# Altium PCB MercurialSDR.PcbDoc (part 1 of 2)
Units mm, origin at the board's own origin, x right, y up, seen from the top; angles counter-clockwise.
Board outline 100 x 50 mm, 2 copper layers (Top Layer, Bottom Layer); 130 components, 118 nets, 582 pads, 101 vias.
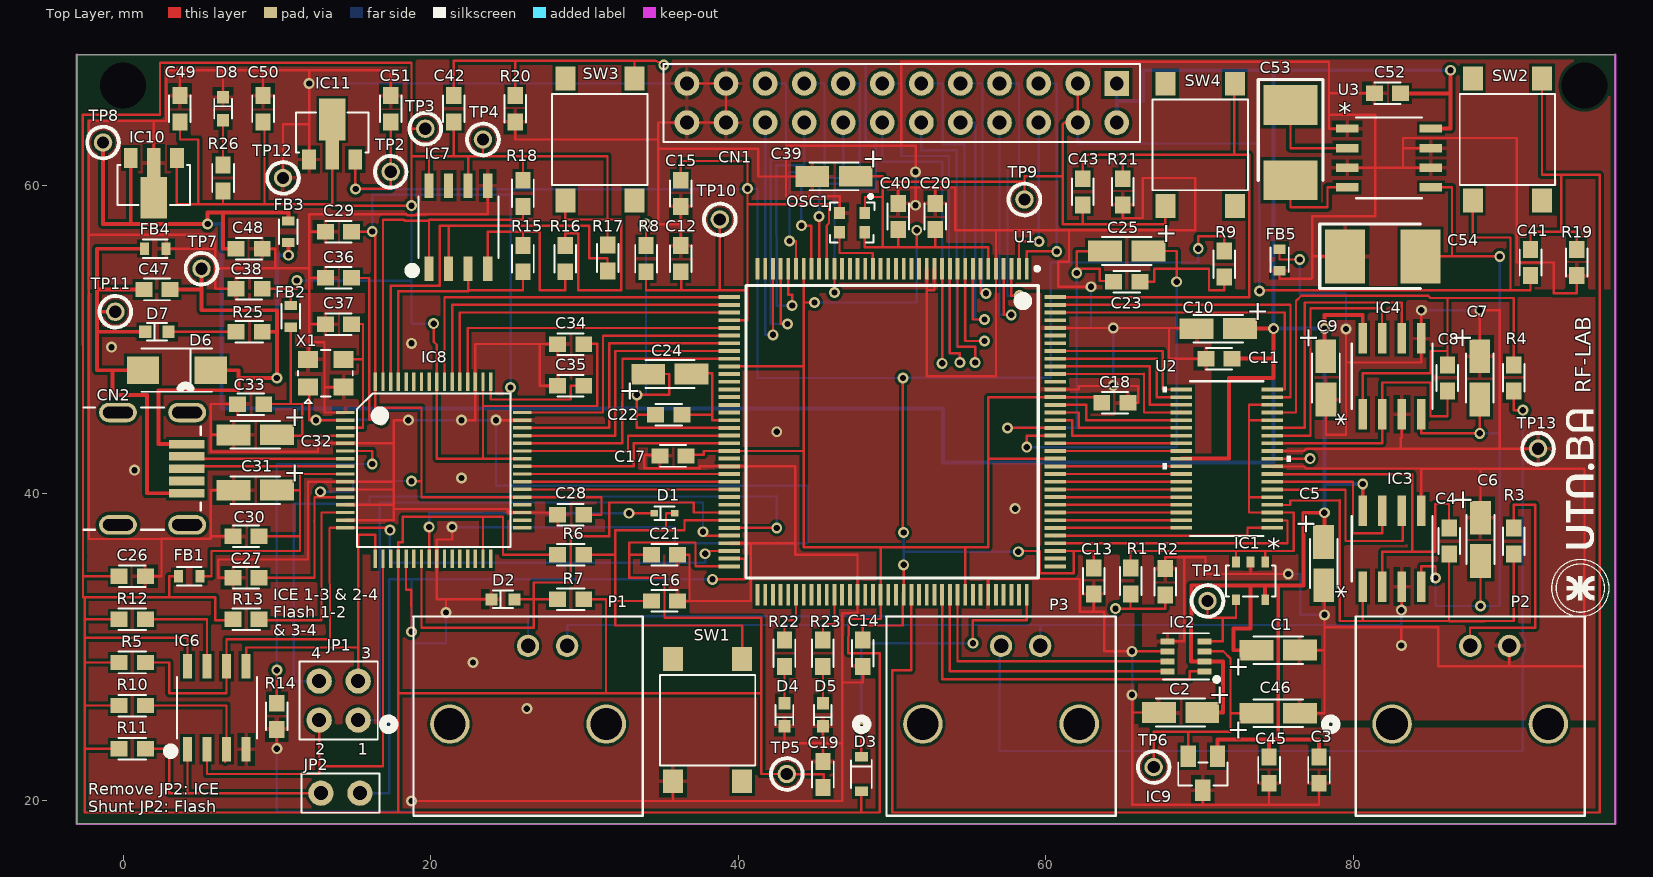
[diagram p0: Top Layer view]
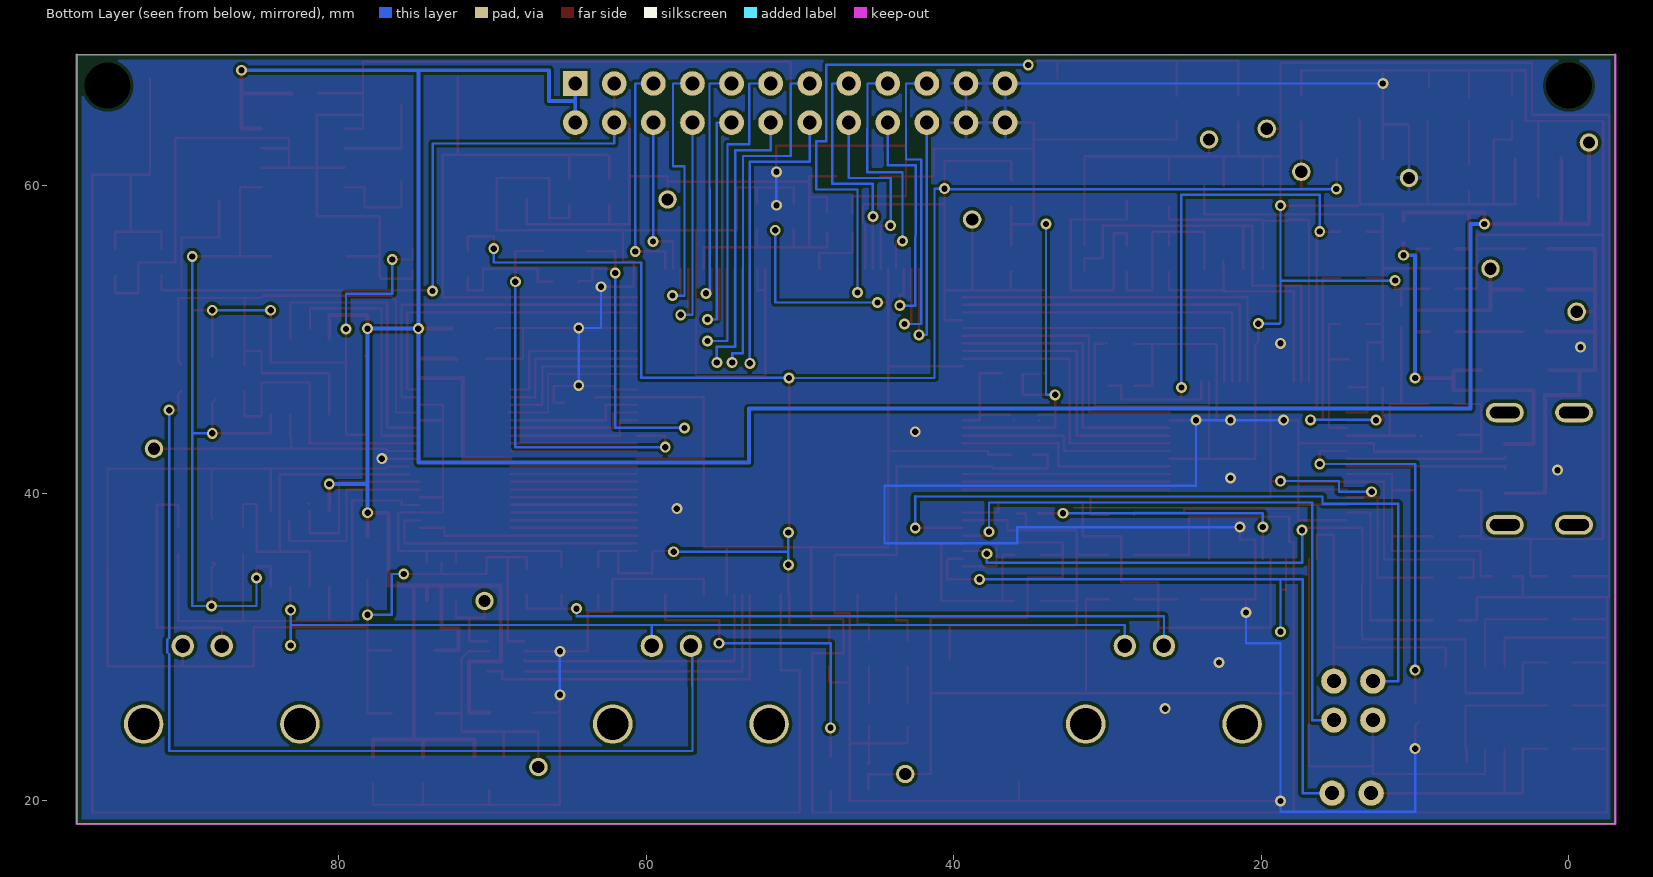
[diagram p1: Bottom Layer view, seen from below]

## Layer stack, top to bottom
Top Solder: solder mask 0.0102, Solder Resist, Dk 3.5
Top Layer: signal copper 0.0356
Dielectric 1: dielectric 0.32, FR-4, Dk 4.8
Bottom Layer: signal copper 0.0356
Bottom Solder: solder mask 0.0102, Solder Resist, Dk 3.5

## Board outline
-3,18.5 -3,68.5 97,68.5 97,18.5

## Design rules (kind name [scope] priority, off if disabled: settings)
BoardOutlineClearance [All] p1: gap=0.25 ignorepadtopadclearanceinfootprint=FALSE
Clearance [All] p1: gap=0.203 ignorepadtopadclearanceinfootprint=FALSE
DiffPairsRouting [All] p1: maxlimit=0.157 minlimit=0.157 mostfreqgap=0.157 toplayer_minwidth=0.152 toplayer_maxwidth=0.381 toplayer_prefwidth=0.152 bottomlayer_minwidth=0.152 bottomlayer_maxwidth=0.381 bottomlayer_prefwidth=0.152 maxuncoupledlength=12.7
HoleSize [All] p1: absolutevalues=TRUE maxlimit=5 minlimit=0.025 maxpercent=80.000 minpercent=20.000
MinimumSolderMaskSliver [All] p1: minsoldermaskwidth=0
PlaneConnect [IsVia] p1: planeconnectstyle=Direct reliefexpansion=0.508 reliefentries=4 reliefconductorwidth=0.254 reliefairgap=0.254
PolygonConnect PolygonConnect_1 [IsVia] p1: connectstyle=Direct reliefconductorwidth=0.254 reliefentries=4 polygonreliefangle="90 Angle" airgapwidth=0.254
PolygonConnect [All] p2: connectstyle=Relief reliefconductorwidth=0.254 reliefentries=4 polygonreliefangle="90 Angle" airgapwidth=0.254
RoutingVias [All] p1: holewidth=0.406 width=0.711 viastyle="Through Hole" minholewidth=0.406 minwidth=0.711 maxholewidth=1 maxwidth=2
ShortCircuit [InNet('No Net')] p1: allowed=TRUE
SilkToSilkClearance [All] p1: silktosilkclearance=0
SilkToSolderMaskClearance [IsPad] p1: minsilkscreentomaskgap=0.025 clearancetoexposedcopper=TRUE
SolderMaskExpansion [All] p1: expansion=0.102
Width [IsNet] p1: maxlimit=0.254 minlimit=0.152 preferedwidth=0.152
23 further rules are at their usual default settings.

## Classes and differential pairs
component class "FTDI Interface": C27 C28 C29 C30 C31 C32 C33 C34 C35 C36 C37 C38 FB1 FB2 IC7 IC8 R13 R14 R15 R16 R17 R18 X1
component class "iCE Banks": C1 C2 C3 C4 C5 C6 C7 C8 C9 C10 C11 IC1 IC2 IC3 IC4 P1 P2 P3 R1 R2 R3 R4 TP1 U1 U2
component class "iCE Programming & Power": C12 C13 C14 C15 C16 C17 C18 C19 C20 C21 C22 C23 C24 C25 C26 D1 D2 D3 IC6 JP2 R5 R6 R7 R8 R9 R10 R11 R12 SW1 TP2 TP3 TP4 TP5
component class Miscellaneous: C39 C40 C41 C42 C43 CN1 D4 D5 OSC1 R19 R20 R21 R22 R23 SW2 SW3 SW4
component class "USB & Power": C45 C46 C47 C48 C49 C50 C51 C52 C53 C54 CN2 D6 D7 D8 FB3 FB4 FB5 IC9 IC10 IC11 R25 R26 TP6 TP7 TP8 TP9 TP10 TP11 TP12 TP13 U3
differential pair USB_D: +USB_D_P -USB_D_N

## Components (designator, comment, footprint, x,y, rotation, side; value= is the part's Value field where it differs from the comment)
C1 "10uF 6V3 - TAJA106K006RNJ" CAP_TANT_1206 75.1,29.8 r0 top value="10uF 6V3"
C2 "10uF 6V3 - TAJA106K006RNJ" CAP_TANT_1206 68.75,25.75 r180 top value="10uF 6V3"
C3 "100nF 16V X7R - CL10B104KO8NNNC" CAP_0603 77.75,22 r270 top value="100nF 16V X7R"
C4 "10pF 16V X7R - C0603C100K4RAC7867" CAP_0603 86.205,36.89 r90 top value="10pF 16V X7R"
C5 "10uF 6V3 - TAJA106K006RNJ" CAP_TANT_1206 78.054,35.433 r270 top value="10uF 6V3"
C6 "10uF 6V3 - TAJA106K006RNJ" CAP_TANT_1206 88.25,37 r270 top value="10uF 6V3"
C7 "10uF 6V3 - TAJA106K006RNJ" CAP_TANT_1206 88.2,47.5 r270 top value="10uF 6V3"
C8 "10pF 16V X7R - C0603C100K4RAC7867" CAP_0603 86.1,47.5 r90 top value="10pF 16V X7R"
C9 "10uF 6V3 - TAJA106K006RNJ" CAP_TANT_1206 78.2,47.5 r270 top value="10uF 6V3"
C10 "10uF 6V3 - TAJA106K006RNJ" CAP_TANT_1206 71.2,50.7 r180 top value="10uF 6V3"
C11 "100nF 16V X7R - CL10B104KO8NNNC" CAP_0603 71.25,48.75 r180 top value="100nF 16V X7R"
C12 "100nF 16V X7R - CL10B104KO8NNNC" CAP_0603 36.25,55.25 r90 top value="100nF 16V X7R"
C13 "100nF 16V X7R - CL10B104KO8NNNC" CAP_0603 63.1,34.3 r270 top value=100nF
C14 "100nF 16V X7R - CL10B104KO8NNNC" CAP_0603 48.1,29.6 r270 top value=100nF
C15 "100nF 16V X7R - CL10B104KO8NNNC" CAP_0603 36.25,59.5 r270 top value="100nF 16V X7R"
C16 "2.2uF 6V3 X5R - CL10A225KQ8NNNC" CAP_0603 35.2,33 r0 top value="2.2uF 6V3 X5R"
C17 "100nF 16V X7R - CL10B104KO8NNNC" CAP_0603 35.75,42.425 r0 top value="100nF 16V X7R"
C18 "100nF 16V X7R - CL10B104KO8NNNC" CAP_0603 64.475,45.875 r180 top value="100nF 16V X7R"
C19 "100nF 16V X7R - CL10B104KO8NNNC" CAP_0603 45.503,21.717 r270 top value="100nF 16V X7R"
C20 "100nF 16V X7R - CL10B104KO8NNNC" CAP_0603 52.8,58 r270 top value="100nF 16V X7R"
C21 "100nF 16V X7R - CL10B104KO8NNNC" CAP_0603 35.2,36 r180 top value="100nF 16V X7R"
C22 "100nF 16V X7R - CL10B104KO8NNNC" CAP_0603 35.475,45.1 r0 top value="100nF 16V X7R"
C23 "100nF 16V X7R - CL10B104KO8NNNC" CAP_0603 65.25,53.75 r180 top value="100nF 16V X7R"
C24 "10uF 6V3 - TAJA106K006RNJ" CAP_TANT_1206 35.55,47.75 r0 top value="10uF 6V3"
C25 "10uF 6V3 X7R- TAJA106K006RNJ" CAP_TANT_1206 65.25,55.75 r180 top value="10uF 6V3 X7R"
C26 "100nF 16V X7R - CL10B104KO8NNNC" CAP_0603 0.6,34.6 r180 top value="100nF 16V X7R"
C27 "100nF 16V X7R - CL10B104KO8NNNC" CAP_0603 8,34.5 r180 top value="100nF 16V X7R"
C28 "100nF 16V X7R - CL10B104KO8NNNC" CAP_0603 29.1,38.6 r180 top value="100nF 16V X7R"
C29 "100nF 16V X7R - CL10B104KO8NNNC" CAP_0603 14,57 r180 top value="100nF 16V X7R"
C30 "100nF 16V X7R - CL10B104KO8NNNC" CAP_0603 8,37.2 r180 top value="100nF 16V X7R"
C31 "4.7uF 10V - TAJA475K010RNJ" CAP_TANT_1206 8.6,40.2 r180 top value="4.7uF 10V"
C32 "4.7uF 10V - TAJA475K010RNJ" CAP_TANT_1206 8.6,43.8 r180 top value="4.7uF 10V"
C33 "100nF 16V X7R - CL10B104KO8NNNC" CAP_0603 8.3,45.8 r180 top value="100nF 16V X7R"
C34 "100nF 16V X7R - CL10B104KO8NNNC" CAP_0603 29.1,49.7 r180 top value="100nF 16V X7R"
C35 "3.3uF10V X7S - C1608X7S1A335K080AC" CAP_0603 29.1,47 r180 top value="3.3uF10V X7S"
C36 "12pF 50V C0G - CL10C120JB8NNNC" CAP_0603 14,54 r180 top value="12pF 50V C0G"
C37 "12pF 50V C0G - CL10C120JB8NNNC" CAP_0603 14,51 r0 top value="12pF 50V C0G"
C38 "100nF 16V X7R - CL10B104KO8NNNC" CAP_0603 8.2,53.3 r180 top value="100nF 16V X7R"
C39 "10uF 6V3 - TAJA106K006RNJ" CAP_TANT_1206 46.22,60.6 r180 top value="10uF 6V3"
C40 "100nF 16V X7R - CL10B104KO8NNNC" CAP_0603 50.4,58 r90 top value="100nF 16V X7R"
C41 "2.2uF 6V3 X5R - CL10A225KQ8NNNC" CAP_0603 91.5,55 r90 top value="2.2uF 6V3 X5R"
C42 "2.2uF 6V3 X5R - CL10A225KQ8NNNC" CAP_0603 21.5,65 r90 top value="2.2uF 6V3 X5R"
C43 "2.2uF 6V3 X5R - CL10A225KQ8NNNC" CAP_0603 62.4,59.6 r90 top value="2.2uF 6V3 X5R"
C45 "100nF 16V X7R - CL10B104KO8NNNC" CAP_0603 74.5,22 r270 top value="100nF 16V X7R"
C46 "10uF 6V3 - TAJA106K006RNJ" CAP_TANT_1206 75.1,25.7 r0 top value="10uF 6V3"
C47 "10nF 16v X7R  - CC0603KRX7R7BB103" CAP_0603 2.2,53.25 r180 top value="Cap ceramico"
C48 "1uF 10V X7R - CL10B105KP8NNNC" CAP_0603 8.2,55.9 r0 top value="1uF 10V X7R"
C49 "1uF 10V X7R - CL10B105KP8NNNC" CAP_0603 3.7,65 r90 top value="1uF 10V X7R"
C50 "1uF 10V X7R - CL10B105KP8NNNC" CAP_0603 9.1,65 r90 top value="1uF 10V X7R"
C51 "1uF 10V X7R - CL10B105KP8NNNC" CAP_0603 17.4,65 r90 top value="1uF 10V X7R"
C52 "2.2uF 6V3 -  TMCJ1A225MTRF" CAP_0603 82.2,66 r180 top value="2.2uF 6V3"
C53 "47uF 16V - 595D476X9016C2T" CAPPC5932X280N 75.9,62.8 r270 top value="47uF 16V"
C54 "47uF 16V - 595D476X9016C2T" CAPPC5932X280N 81.9,55.4 r0 top value="47uF 16V"
CN1 "6-534236-2" CON_12X2 50.63,65.37 r0 top value="Conector genérico 12x2"
CN2 "10118193-0001LF" 54819-0589_MOL 0.425,41.6 r270 top value="USB Plug"
D1 "RB521S30T1G" SOD-523 35.2,38.7 r180 top value="Diodo Schottkey"
D2 "LTST-C190KSKT" LED_0603 24.7,33.1 r180 top value="Led Yellow"
D3 "NSR0530HT1G" SOD-323 48,21.75 r270 top value="Diodo Schottkey"
D4 "LTST-C190KRKT" LED_0603 43,25.6 r270 top
D5 "LTST-C190KRKT" LED_0603 45.5,25.6 r270 top
D6 "SMAJ5.0A" DO-214AC 3.5,48 r0 top value="TVS Diode"
D7 "LTST-C190KRKT" LED_0603 2.2,50.5 r180 top
D8 "LTST-C190KSKT" LED_0603 6.5,65 r90 top
FB1 "BLM18AG121SN1D" FERRITE_BEAD_0603 4.3,34.6 r0 top
FB2 "BLM18AG121SN1D" FERRITE_BEAD_0603 10.9,51.5 r270 top
FB3 "BLM18AG121SN1D" FERRITE_BEAD_0603 10.75,57 r90 top value="Ferrite Bead"
FB4 "BLM18AG121SN1D" FERRITE_BEAD_0603 2.1,55.9 r0 top value="Ferrite Bead"
FB5 "BLM18AG121SN1D" FERRITE_BEAD_0603 75.184,55.169 r90 top value="Ferrite Bead"
IC1 "MCP6271 SOT-23-5" SOT-23-5 73.3,34.3 r270 top
IC2 "AD5061" SOT-23-8 69.1,29.4 r90 top
IC3 "OPAMP2277 - OPA2277UA/2K5" OPA2277 82.5,36.4 r90 top
IC4 "OPAMP2277  - OPA2277UA/2K5" OPA2277 82.5,47.6 r90 top
IC6 "LE25U20AMB" SOIC-8 6.095,26.05 r90 top
IC7 "93LC56BT" SOIC-8 21.8,57.3 r90 top
IC8 "FT2232HL-TRAY" LQFP_64 20.2,41.5 r0 top value=FT2232H
IC9 "MCP1541T-I/TT" SOT-23-3 70.2,21.8 r180 top
IC10 "AP7215 - AP7365-33YG-13" SOT89-3L 2,60.5 r180 top value=AP7215
IC11 "AP7217D - AP7217D-12YG-13" SOT89-3L 13.6,63 r0 top value=AP7217D
JP1 "Jumper" "JUMPER 2X2" 15.29,25.25 r180 top
JP2 "Jumper 2x1" "JUMPER 2X1" 12.86,20.5 r0 top
OSC1 "DSC6003JI2A-012.0000T" VFLGA_2.5X2.0 47.4,57.6 r180 top
P1 "0731385033" CONN_73138-5033_ 18.814,32.032 r0 top value=BNC
P2 "0731385033" CONN_73138-5033_ 80.064,32.032 r0 top value=BNC
P3 "0731385033" CONN_73138-5033_ 49.564,32.032 r0 top value=BNC
R1 "10k 1% 1/10W - CR0603-FX-1002EAS" RES_0603 65.5,34.3 r270 top value="10k 1% 1/10W"
R2 "1k 1% 1/10W - CR0603-FX-1001ELF" RES_0603 67.75,34.25 r90 top value="1k 1% 1/10W"
R3 "47 1% 1/10W - CR0603-FX-47R0ELF" RES_0603 90.405,36.89 r90 top value="47 1% 1/10W"
R4 "47 1% 1/10W - CR0603-FX-47R0ELF" RES_0603 90.4,47.5 r270 top value="47 1% 1/10W"
R5 "10k 1% 1/10W - CR0603-FX-1002EAS" RES_0603 0.6,29 r0 top value="10k 1% 1/10W"
R6 "10k 1% 1/10W - CR0603-FX-1002EAS" RES_0603 29.1,36 r0 top value="10k 1% 1/10W"
R7 "649 1% 1/10W - RC0603FR-07649RL" RES_0603 29.1,33.1 r180 top value="649 1% 1/10W"
R8 "100 1% 1/10W - CR0603-FX-1000ELF" RES_0603 34,55.25 r270 top value="100 1% 1/10W"
R9 "100 1% 1/10W - CR0603-FX-1000ELF" RES_0603 71.6,54.9 r270 top value="100 1% 1/10W"
R10 "10k 1% 1/10W - CR0603-FX-1002EAS" RES_0603 0.6,26.2 r0 top value="10k 1% 1/10W"
R11 "10k 1% 1/10W - CR0603-FX-1002EAS" RES_0603 0.6,23.4 r180 top value="10k 1% 1/10W"
R12 "10k 1% 1/10W - CR0603-FX-1002EAS" RES_0603 0.6,31.8 r0 top value="10k 1% 1/10W"
R13 "1k 1% 1/10W - CR0603-FX-1001ELF" RES_0603 8,31.8 r180 top value="1k 1% 1/10W"
R14 "12k 1% 1/10W - CR0603-FX-1202ELF" RES_0603 10,25.5 r270 top value="12k 1% 1/10W"
R15 "2k2 1% 1/10W - AC0603FR-072K2L" RES_0603 26,55.25 r270 top value="2k2 1% 1/10W"
R16 "10k 1% 1/10W - CR0603-FX-1002EAS" RES_0603 28.75,55.25 r90 top value="10k 1% 1/10W"
R17 "10k 1% 1/10W - CR0603-FX-1002EAS" RES_0603 31.5,55.3 r270 top value="10k 1% 1/10W"
R18 "10k 1% 1/10W - CR0603-FX-1002EAS" RES_0603 26,59.5 r270 top value="10k 1% 1/10W"
R19 "10k 1% 1/10W - CR0603-FX-1002EAS" RES_0603 94.5,55 r90 top value="10k 1% 1/10W"
R20 "10k 1% 1/10W - CR0603-FX-1002EAS" RES_0603 25.5,65 r90 top value="10k 1% 1/10W"
R21 "10k 1% 1/10W - CR0603-FX-1002EAS" RES_0603 65,59.6 r90 top value="10k 1% 1/10W"
R22 "130 1% 1/10W - CR0603-FX-1300ELF" RES_0603 43,29.6 r90 top value=130
R23 "130 1% 1/10W - CR0603-FX-1300ELF" RES_0603 45.5,29.6 r90 top value="130 1% 1/10W"
R25 "330 5% 1/10W - CR0603-JW-331ELF" RES_0603 8.2,50.5 r180 top value="330 5% 1/10W"
R26 "150 1% 1/10W - CR0603-FX-1500ELF" RES_0603 6.5,60.5 r90 top value="150 1% 1/10W"
SW1 "PTS645SM43SMTR92 LFS" SWITCH_6X6MM 38,25.25 r270 top value=Pulsador
SW2 "PTS645SM43SMTR92 LFS" SWITCH_6X6MM 90,63 r90 top
SW3 "PTS645SM43SMTR92 LFS" SWITCH_6X6MM 31,63 r90 top
SW4 "PTS645SM43SMTR92 LFS" SWITCH_6X6MM 70.025,62.65 r90 top
TP1 "Test Point" TP_TH 70.5,33 r90 top
TP2 "Test Point" TP_TH 17.4,60.9 r90 top
TP3 "Test Point" TP_TH 19.65,63.7 r90 top
TP4 "Test Point" TP_TH 23.4,63 r90 top
TP5 "Test Point" TP_TH 43.15,21.75 r90 top
TP6 "Test Point" TP_TH 67,22.2 r90 top
TP7 "Test Point" TP_TH 5.1,54.6 r90 top
TP8 "Test Point" TP_TH -1.3,62.8 r90 top
TP9 "Test Point" TP_TH 58.6,59.1 r90 top
TP10 "Test Point" TP_TH 38.8,57.8 r90 top
TP11 "Test Point" TP_TH -0.5,51.8 r90 top
TP12 "Test Point" TP_TH 10.4,60.5 r90 top
TP13 "Test Point" TP_TH 91.991,42.9 r90 top
U1 "ICE40HX4K-TQ144" LATC-TQFP-144_L 50,44 r270 top
U2 "DAC8822QCDBTR" DAC8822 71.75,42.25 r180 top value=Value
U3 "MAX1681ESA+" MAX1681 82.3,61.8 r0 top
X1 "ECS-120-12-33-AGN-TR" XTAL_3.2X2.5 13.183,47.803 r0 top value=12MHz

## Footprints (in the part's own frame and the unit in brackets; to place one, negate y for a bottom-side part, rotate by r counter-clockwise, add the part's x,y. Pads: shape width x height; smd on the part's side, far side on the other; paste and mask are expansions set on the pad)
54819-0589_MOL [mil]
  rect 22x91 smd paste+0 mask+0: 1(-62.99,146.49) 2(-31.5,146.49) 3(0,146.49) 4(31.5,146.49) 5(62.99,146.49)
  oval 50x97 hole 29.53 slot 76.77 at 90 deg mask+0: ""(-143.7,147.47) ""(-143.7,-29.69) ""(143.7,147.47) ""(143.7,-29.69)
  Multi-Layer lines w30: 143.7,-53.19 143.7,-6.19 ; -143.7,-53.19 -143.7,-6.19 ; 143.7,123.97 143.7,170.97 ; -143.7,123.97 -143.7,170.97
  silkscreen extent -213,-118 157,182, body extent -152,-177 152,177, height 179
CAP_0603 [mm] "Capacitor SMD 0603"
  rect 1.1x1 smd: 1(-0.85,0) 2(0.85,0)
  silkscreen extent -0.85,-0.7 0.85,0.7, body extent -1.23,-0.4 1.23,0.4, height 0.8
CAP_TANT_1206 [mm] "Capacitor Tantalio 1206"
  rect 2.2x1.35 smd: 1(-1.41,-0.005) 2(1.41,0.005)
  silkscreen extent -1.6,-0.9 1.6,0.9, body extent -1.73,-0.9 1.67,0.9, height 1.8
CAPPC5932X280N [mm]
  rect 2.6x3.5 smd: 1(-2.45,0) 2(2.45,0)
  silkscreen extent -4.1,-2.1 2.45,2.1, body extent -2.95,-1.6 2.95,1.6, height 2.8
CON_12X2 [mil] "Conector 12x2"
  rect 63x63 hole 35: 1(550,50)
  round 63 hole 35: 2(550,-50) 3(450,50) 4(450,-50) 5(350,50) 6(350,-50) 7(250,50) 8(250,-50) 9(150,50) 10(150,-50) 11(50,50) 12(50,-50) 13(-50,50) 14(-50,-50) 15(-150,50) 16(-150,-50) 17(-250,50) 18(-250,-50) 19(-350,50) 20(-350,-50) 21(-450,50) 22(-450,-50) 23(-550,50) 24(-550,-50)
  silkscreen extent -610,-100 610,100, body extent -608,-99 608,99, height 354
CONN_73138-5033_ [mil]
  round 57 hole 37 mask+0: 1(295.91,-76.85) 2(395.91,-76.85)
  round 101 hole 81: 3(95.91,-276.85) 4(495.91,-276.85)
  silkscreen extent -76,-512 589,-2, body extent -17,-1408 609,-13, height 715
DAC8822 [mm]
  rect 1.404x0.239 smd paste+0 mask+0: 1(-2.95,4.5) 2(-2.95,4) 3(-2.95,3.5) 4(-2.95,3) 5(-2.95,2.5) 6(-2.95,2) 7(-2.95,1.5) 8(-2.95,1) 9(-2.95,0.5) 10(-2.95,0) 11(-2.95,-0.5) 12(-2.95,-1) 13(-2.95,-1.5) 14(-2.95,-2) 15(-2.95,-2.5) 16(-2.95,-3) 17(-2.95,-3.5) 18(-2.95,-4) 19(-2.95,-4.5) 20(2.95,-4.5) 21(2.95,-4) 22(2.95,-3.5) 23(2.95,-3) 24(2.95,-2.5) 25(2.95,-2) 26(2.95,-1.5) 27(2.95,-1) 28(2.95,-0.5) 29(2.95,0) 30(2.95,0.5) 31(2.95,1) 32(2.95,1.5) 33(2.95,2) 34(2.95,2.5) 35(2.95,3) 36(2.95,3.5) 37(2.95,4) 38(2.95,4.5)
  silkscreen extent -4.16,-5.03 4.16,5.03, body extent -3.35,-4.9 3.25,4.9, height 1.2
DO-214AC [mm] "TVS SMD"
  rect 2.1x1.8 smd: 1(-2.2,0) 2(2.2,0)
  silkscreen extent -2.3,-1.4 2.3,1.4, body extent -2.64,-1.4 2.84,1.4, height 1.14
FERRITE_BEAD_0603 [mm] "Ferrite bead 0603"
  rect 0.6x0.8 smd: 1(-0.7,0) 2(0.7,0)
  silkscreen extent -0.8,-0.6 0.8,0.6, body extent -0.8,-0.4 0.8,0.4, height 0.8
"JUMPER 2X1" [mm] "Jumper 2x1"
  round 1.64 hole 0.91: 1(0,0) 2(2.54,0)
  silkscreen extent -1.27,-1.27 3.81,1.27, body extent -1.23,-1.27 3.77,1.27, height 9.5
"JUMPER 2X2" [mm] "Jumper 2x2"
  round 1.64 hole 0.91: 1(0,0) 2(2.54,0) 3(0,-2.54) 4(2.54,-2.54)
  silkscreen extent -1.27,-3.81 3.81,1.27, body extent -1.23,-3.81 3.77,1.27, height 9.5
LATC-TQFP-144_L [mm] "QFP, 144-Leads, Body 20x20mm, Pitch 0.5mm, IPC High Density"
  rect 1.4x0.25 smd: 1(-10.6,8.75) 2(-10.6,8.25) 3(-10.6,7.75) 4(-10.6,7.25) 5(-10.6,6.75) 6(-10.6,6.25) 7(-10.6,5.75) 8(-10.6,5.25) 9(-10.6,4.75) 10(-10.6,4.25) 11(-10.6,3.75) 12(-10.6,3.25) 13(-10.6,2.75) 14(-10.6,2.25) 15(-10.6,1.75) 16(-10.6,1.25) 17(-10.6,0.75) 18(-10.6,0.25) 19(-10.6,-0.25) 20(-10.6,-0.75) 21(-10.6,-1.25) 22(-10.6,-1.75) 23(-10.6,-2.25) 24(-10.6,-2.75) 25(-10.6,-3.25) 26(-10.6,-3.75) 27(-10.6,-4.25) 28(-10.6,-4.75) 29(-10.6,-5.25) 30(-10.6,-5.75) 31(-10.6,-6.25) 32(-10.6,-6.75) 33(-10.6,-7.25) 34(-10.6,-7.75) 35(-10.6,-8.25) 36(-10.6,-8.75) 73(10.6,-8.75) 74(10.6,-8.25) 75(10.6,-7.75) 76(10.6,-7.25) 77(10.6,-6.75) 78(10.6,-6.25) 79(10.6,-5.75) 80(10.6,-5.25) 81(10.6,-4.75) 82(10.6,-4.25) 83(10.6,-3.75) 84(10.6,-3.25) 85(10.6,-2.75) 86(10.6,-2.25) 87(10.6,-1.75) 88(10.6,-1.25) 89(10.6,-0.75) 90(10.6,-0.25) 91(10.6,0.25) 92(10.6,0.75) 93(10.6,1.25) 94(10.6,1.75) 95(10.6,2.25) 96(10.6,2.75) 97(10.6,3.25) 98(10.6,3.75) 99(10.6,4.25) 100(10.6,4.75) 101(10.6,5.25) 102(10.6,5.75) 103(10.6,6.25) 104(10.6,6.75) 105(10.6,7.25) 106(10.6,7.75) 107(10.6,8.25) 108(10.6,8.75)
  rect 0.25x1.4 smd: 37(-8.75,-10.6) 38(-8.25,-10.6) 39(-7.75,-10.6) 40(-7.25,-10.6) 41(-6.75,-10.6) 42(-6.25,-10.6) 43(-5.75,-10.6) 44(-5.25,-10.6) 45(-4.75,-10.6) 46(-4.25,-10.6) 47(-3.75,-10.6) 48(-3.25,-10.6) 49(-2.75,-10.6) 50(-2.25,-10.6) 51(-1.75,-10.6) 52(-1.25,-10.6) 53(-0.75,-10.6) 54(-0.25,-10.6) 55(0.25,-10.6) 56(0.75,-10.6) 57(1.25,-10.6) 58(1.75,-10.6) 59(2.25,-10.6) 60(2.75,-10.6) 61(3.25,-10.6) 62(3.75,-10.6) 63(4.25,-10.6) 64(4.75,-10.6) 65(5.25,-10.6) 66(5.75,-10.6) 67(6.25,-10.6) 68(6.75,-10.6) 69(7.25,-10.6) 70(7.75,-10.6) 71(8.25,-10.6) 72(8.75,-10.6) 109(8.75,10.6) 110(8.25,10.6) 111(7.75,10.6) 112(7.25,10.6) 113(6.75,10.6) 114(6.25,10.6) 115(5.75,10.6) 116(5.25,10.6) 117(4.75,10.6) 118(4.25,10.6) 119(3.75,10.6) 120(3.25,10.6) 121(2.75,10.6) 122(2.25,10.6) 123(1.75,10.6) 124(1.25,10.6) 125(0.75,10.6) 126(0.25,10.6) 127(-0.25,10.6) 128(-0.75,10.6) 129(-1.25,10.6) 130(-1.75,10.6) 131(-2.25,10.6) 132(-2.75,10.6) 133(-3.25,10.6) 134(-3.75,10.6) 135(-4.25,10.6) 136(-4.75,10.6) 137(-5.25,10.6) 138(-5.75,10.6) 139(-6.25,10.6) 140(-6.75,10.6) 141(-7.25,10.6) 142(-7.75,10.6) 143(-8.25,10.6) 144(-8.75,10.6)
  silkscreen extent -10.72,-9.5 9.5,9.55, body extent -10,-10 10,10, height 1.6
LED_0603 [mm] "Led_0603"
  rect 0.8x0.8 smd: 1(-0.75,0) 2(0.75,0)
  silkscreen extent -0.65,-0.57 0.65,0.57, body extent -0.82,-0.4 0.88,0.4, height 0.65
LQFP_64 [mm]
  rect 1.2x0.22 smd: 1(-5.75,3.75) 2(-5.75,3.25) 3(-5.75,2.75) 4(-5.75,2.25) 5(-5.75,1.75) 6(-5.75,1.25) 7(-5.75,0.75) 8(-5.75,0.25) 9(-5.75,-0.25) 10(-5.75,-0.75) 11(-5.75,-1.25) 12(-5.75,-1.75) 13(-5.75,-2.25) 14(-5.75,-2.75) 15(-5.75,-3.25) 16(-5.75,-3.75) 33(5.75,-3.75) 34(5.75,-3.25) 35(5.75,-2.75) 36(5.75,-2.25) 37(5.75,-1.75) 38(5.75,-1.25) 39(5.75,-0.75) 40(5.75,-0.25) 41(5.75,0.25) 42(5.75,0.75) 43(5.75,1.25) 44(5.75,1.75) 45(5.75,2.25) 46(5.75,2.75) 47(5.75,3.25) 48(5.75,3.75)
  rect 0.22x1.2 smd: 17(-3.8,-5.75) 18(-3.3,-5.75) 19(-2.8,-5.75) 20(-2.3,-5.75) 21(-1.8,-5.75) 22(-1.3,-5.75) 23(-0.8,-5.75) 24(-0.3,-5.75) 25(0.2,-5.75) 26(0.7,-5.75) 27(1.2,-5.75) 28(1.7,-5.75) 29(2.2,-5.75) 30(2.7,-5.75) 31(3.2,-5.75) 32(3.7,-5.75) 49(3.7,5.75) 50(3.2,5.75) 51(2.7,5.75) 52(2.2,5.75) 53(1.7,5.75) 54(1.2,5.75) 55(0.7,5.75) 56(0.2,5.75) 57(-0.3,5.75) 58(-0.8,5.75) 59(-1.3,5.75) 60(-1.8,5.75) 61(-2.3,5.75) 62(-2.8,5.75) 63(-3.3,5.75) 64(-3.8,5.75)
  silkscreen extent -5,-5 5,5, body extent -6.12,-6.07 6.02,6.07, height 1.62
MAX1681 [mil]
  rect 57.5x21 smd paste+0 mask+0: 1(-107.25,75) 2(-107.25,25) 3(-107.25,-25) 4(-107.25,-75) 5(107.25,-75) 6(107.25,-25) 7(107.25,25) 8(107.25,75)
  silkscreen extent -84,-104 84,104, body extent -122,-98 122,99, height 69
OPA2277 [mil]
  rect 78x22 smd: 1(-97,75) 2(-97,25) 3(-97,-25) 4(-97,-75) 5(97,-75) 6(97,-25) 7(97,25) 8(97,75)
  silkscreen extent -84,-104 84,104, body extent -124,-96 114,97, height 64
RES_0603 [mm] "Resistor SMD 0603"
  rect 1.1x1 smd: 1(-0.85,0) 2(0.85,0)
  silkscreen extent -0.9,-0.7 0.9,0.7, body extent -0.8,-0.4 0.8,0.4, height 0.3
SOD-323 [mm] "Diodo Schottkey"
  rect 0.63x0.83 smd: 1(1.115,0) 2(-1.115,0)
  silkscreen extent -0.9,-0.67 0.91,0.67, body extent -1.26,-0.62 1.24,0.63, height 1.1
SOD-523 [mm]
  rect 0.48x0.4 smd: 1(-0.66,0) 2(0.66,0)
  silkscreen extent -0.65,-0.45 0.65,0.45, body extent -0.79,-0.39 0.81,0.41, height 0.7
SOIC-8 [mm] "Memoria Flash 256kb SOIC-8"
  rect 1.6x0.6 smd: 1(-2.7,1.905) 2(-2.7,0.635) 3(-2.7,-0.635) 4(-2.7,-1.905) 5(2.7,-1.905) 6(2.7,-0.635) 7(2.7,0.635) 8(2.7,1.905)
  silkscreen extent -3.07,-2.6 2,3.25, body extent -3,-2.45 3,2.46, height 1.75
SOT89-3L [mm]
  rect 0.9x1.3 smd: 1(-1.5,-1.3) 3(1.5,-1.3)
  rect 1.7x2.7 smd: 2(0,1.3)
  rect 0.9x1.9 smd: 2(0,-1)
  silkscreen extent -2.35,-0.85 2.35,1.75, body extent -2.25,-1.8 2.25,2.45, height 1.54
SOT-23-3 [mm]
  rect 1x1.4 smd: 1(-0.95,-1.1) 2(0.95,-1.1) 3(0,1.1)
  silkscreen extent -1.6,-0.7 1.6,0.8, body extent -1.46,-1.18 1.46,1.19, height 1.12
SOT-23-5 [mm]
  rect 0.7x0.5 smd: 1(-1.225,0.95) 2(-1.225,0) 3(-1.225,-0.95) 4(1.225,-0.95) 5(1.225,0.95)
  silkscreen extent -1,-1.6 1,1.61, body extent -1.35,-1.45 1.35,1.45, height 1.45
SOT-23-8 [mm]
  rect 0.4x0.9 smd: 1(-0.975,-1.2) 2(-0.325,-1.2) 3(0.325,-1.2) 4(0.975,-1.2) 5(0.975,1.2) 6(0.325,1.2) 7(-0.325,1.2) 8(-0.975,1.2)
  silkscreen extent -1.64,-2.14 1.5,1.5, body extent -1.45,-1.4 1.45,1.4, height 1.45
SWITCH_6X6MM [mm] "Pulsador 6mm x 6mm"
  rect 1.55x1.3 smd: 1(-3.975,2.25) 2(3.975,2.25) 3(-3.975,-2.25) 4(3.975,-2.25)
  silkscreen extent -2.95,-3.1 2.95,3.1, body extent -4.48,-3.05 4.52,2.95, height 4.3
TP_TH [mm]
  round 1.2 hole 0.8: 1(0,0)
  silkscreen extent -1.03,-1.03 1.03,1.03
VFLGA_2.5X2.0 [mm]
  rect 0.7x0.8 smd: 1(-0.825,-0.625) 2(0.825,-0.625) 3(0.825,0.625) 4(-0.825,0.625)
  silkscreen extent -1.45,-1.8 1.45,1.3, body extent -1.25,-1 1.25,1, height 0.99
XTAL_3.2X2.5 [mm]
  rect 1.3x1.1 smd: 1(-1.15,-0.9) 2(1.15,-0.9) 3(1.15,0.9) 4(-1.15,0.9)
  silkscreen extent -1.8,-1.95 1.75,1.5, body extent -1.69,-1.39 1.69,1.39, height 0.9

## Part data
C1 C2 C5 C6 C7 C9 C10 C24 C25 C31 C32 C39 C46: library part "Cap Pol", "Capacitor polarizado"
C3 C4 C8 C11 C12 C15 C16 C17 C18 C19 C20 C21 C22 C23 C26 C27 C28 C29 C30 C33 C34 C35 C36 C37 C41 C45 C47 C48 C49 C50 C51: library part Cap, "Capacitor no polarizado"
C13 C14 C38 C40: library part Cap, "Capacitor no polarizado", Part Number=CL10B104KO8NNNC, Temp Coef=X7R, Material=Ceramic, VR=16V
C42 C43: library part Cap, "Capacitor no polarizado", Part Number=CL10A225KQ8NNNC, Temp Coef=X5R, Material=Ceramic, VR=6V3
C52 C53 C54: library part "Cap Pol1", "Capacitor Polarizado", LatestRevisionDate=17-Jul-2002, LatestRevisionNote="Re-released for DXP Platform.", PackageDescription="Polarized Capacitor (Radial); 2 Leads", PackageReference=RB7.6-15, Published=8-Jun-2000, Publisher="Altium Limited"
CN1: library part CN_12x2, "Conector genérico 12x2", Part Number=6-534236-2
CN2: library part "USB Plug", "USB Plug"
D1 D3: library part Diodo_Schottky, "Diodo Schottkey"
  D3: Part Number=NSR0530HT1G
D2: library part Led, "Led"
D4: library part Led_small, "Led_small", Color=Red, Part Number=LTST-C190KRKT
D5: library part Led_small, "Led_small", Color="Small Red Led", Part Number=LTST-C190KRKT
D6: library part TVS_DIODE, "TVS Diode (Supresor de transitorios)"
D7: library part Led, "Led", Color="Led Red"
D8: library part Led, "Led Yellow", Color=Yellow
FB1 FB2 FB3 FB4 FB5: library part "Ferrite Bead", "Ferrite Bead"
  FB1 FB2: In="Ferrite Bead", Part Number=BLM18AG121SN1D
  FB3: In=800mA
IC1: library part MCP6271T-E/OT, "Operational Amplifier", Part Number=MCP6271
IC2: "DAC SPI"
IC3 IC4: library part OPAMP2277, "Operational Amplifier"
IC6: "Flash Memmory SPI (256Kx8)", Part Number=LE25U20AMB-AH
IC7: library part 93LC56BT/SN, "EEPROM SPI 2kb (128x16)", Part Number=93LC56BT/SN
IC8: library part FT2232H, "USB bridge"
IC9: library part MCP1541, "Reference Voltage", Reference Voltage=4.096V, Part Number=MCP1541T-I/TT
IC10: library part AP7215, "Linear Voltage Regulator 3v3"
IC11: library part AP7217D, "Linear Voltage Regulator 1V2"
JP1: library part "Jumper 2x2", "Jumper 2x2"
JP2: library part Jumper, "Jumper"
OSC1: library part Oscillator, "Oscilador de 4 terminales", Frequency=12MHz, Part Number=DSC6003JI2A-012.0000T
P1 P2 P3: library part BNC, "BNC Elbow Connector", LatestRevisionDate=17-Jul-2002, LatestRevisionNote="Re-released for DXP Platform.", Publisher="Altium Limited"
R1 R2 R3 R4 R5 R6 R7 R8 R10 R11 R12 R13 R15 R16 R17 R18 R19 R20 R21 R25 R26: library part Res, "Resistor"
R9: library part Res, "Resistor", Part Number=CR0603-FX-1000ELF, Power=1/10W, Tolerance=1%
R14: library part Res, "Resistor", Part Number=CR0603-FX-1202ELF, Power=1/10W, Tolerance=1%
R22 R23: library part Res, "Resistor", Part Number=CR0603-FX-1300ELF, Power=1/10W, Tolerance=1%
SW1 SW2 SW3 SW4: library part Pulsador, "Pulsador"
  SW2 SW3 SW4: Part Number="PTS645SM43SMTR92 LFS"
U1: "iCE40 HX4K Series FPGA Family, 3520 Logic Cells, 1.2 V Core, 80 K Embedded RAM Bits, 144-pin TQFP, Pb-Free, Tray", Manufacturer="Lattice Semiconductor", Supply Voltage=1.2V, ComponentLink1Description="Manufacturer URL", ComponentLink1URL=http://www.latticesemi.com/en, ComponentLink2Description=Datasheet, ComponentLink2URL=http://www.latticesemi.com/~/media/Documents/DataSheets/iCE/iCE40LPHXFamilyDataSheet.pdf, ComponentLink3Description="Package Specification", ComponentLink3URL=http://www.latticesemi.com/lit/docs/package/pkg.pdf, DatasheetVersion="Rev. 02.9", Embedded RAM Bits=80K, Logic Cells=3520, Mounting Technology="Surface Mount", PackageDescription="144-Pin Thin Quad Flat Package, Body 20 x 20 mm, Pitch 0.5 mm", PackageReference=TQFP-144, PackageVersion="Rev. 03.9, 02/2013", Packing=Tray, Part Number=ICE40HX4K-TQ144, PartNumber=ICE40HX4K-TQ144, Phase-Locked Loops=2, RoHS=TRUE
U2: "16-Bit, Dual, Parallel Input, Multiplying DAC", Built_By=EMA_UL_Team, Copyright="Copyright (C) 2018 Accelerated Designs. All rights reserved", Manufacturer_Part_Number=DAC8822QCDBTR, RefDes=RefDes, Type=DEV, Vendor="Texas Instruments"
U3: library part MAX1681, "Voltage converter", Built_By=EMA_UL_Team, Copyright="Copyright (C) 2018 Accelerated Designs. All rights reserved", Manufacturer_Part_Number=MAX1681ESA+, RefDes=RefDes, SourceLibrary=Maxim_2011-10-27, Type=DEV, Vendor="Maxim Integrated Products"
X1: library part XTAL_4term, "Oscilador a Cristal", Part Number=ECS-120-12-33-AGN-TR
TP1: TP Name=DAC_OUT
TP2 TP10: TP Name=+1V2
TP3 TP4 TP5 TP9: TP Name=+3V3
TP6: TP Name=VREF
TP7: TP Name=USB_BUS
TP8: TP Name=+5V
TP11: TP Name=PGND
TP12: TP Name=GND
TP13: TP Name=AGND

## Free pads (board coordinates)
  round 0 hole 3: 2(0,66.5) 2(95,66.5)

## Via types
v1: diameter 0.711, hole 0.406, Top Layer to Bottom Layer, 101 vias

## Nets (pads, with @x,y where several pads share a name; then routed paths per layer and width w, separated by ;. In a path a pad name is that pad's centre, name@x,y a point inside that pad or via, vN(x,y) a via of type N, cw(c..) or ccw(c..) an arc to the next point about the centre after c; other vN are vias at no path point)
+1V2: C12.1 C13.1 C14.1 C15.1 C51.1 IC11.3 R8.2 R9.1 TP2.1 TP10.1 U1.27 U1.40 U1.92 U1.111 | length 165.1
  Top Layer w0.127: 59.563,36.25 59.588,36.25
  Top Layer w0.152: IC11.3@15.1,61.7 15.1,59.8 17.4,59.8 TP2.1@17.4,60.9 C51.1@17.4,64.15 ; R8.2@34,54.4 34,53.2 36.3,53.2 ; C12.1@36.25,54.4 36.3,54.4 36.3,53.2 ; C15.1@36.25,60.35 36.25,61.6 40.6,61.6 v1(40.6,59.8) 40.6,58.8 ; TP10.1@38.8,57.8 38.8,53.2 ; U1.40@39.4,51.25 40.6,51.25 40.6,53.2 ; U1.27@45.745,54.6 45.745,57.404 45.898,57.556 45.898,58.8 40.6,58.8 ; C14.1@48.1,30.45 48.1,31.4 50.7,31.4 50.7,33.5 50.75,33.5 v1(50.75,35.35) ; v1@50.7,37.45 v1(50.7,47.498) ; v1(58.2,36.2) 58.25,36.25 59.563,36.25 ; 59.588,36.25 59.588,34.8 61.8,34.8 61.8,36.25 ; U1.111@60.6,36.25 63.1,36.25 C13.1@63.1,35.15 ; v1(69.9,55.9) 69.9,56.7 71.6,56.7 R9.1@71.6,55.75 ; 36.3,53.2 38.8,53.2 ; 38.8,53.2 40.6,53.2 ; 40.6,53.2 40.6,58.8
  Bottom Layer w0.152: v1(15.125,59.775) 40.575,59.775 v1(40.6,59.8) 41.25,59.8 41.25,47.5 v1(50.7,47.498) ; v1@50.7,47.5 60.3,47.5 60.3,55 69.9,55 v1(69.9,55.9) ; v1(50.75,35.35) v1(50.75,37.45) ; 50.75,36.2 v1(58.2,36.2)
+1V8: C27.1 C28.1 C29.1 C35.1 IC8.12 IC8.37 IC8.49 IC8.64 | length 87.1
  Top Layer w0.152: C27.1@8.85,34.5 12.446,34.5 12.446,38.191 ; 12.441,38.191 12.446,38.191 ; v1@12.825,39.75 v1(12.825,40.1) ; IC8.12@14.45,39.75 12.451,39.75 12.446,38.191 ; C29.1@14.85,57 v1@16.2,57 ; v1(16.2,57.025) 16.4,57.025 16.4,45.568 19.4,45.568 19.4,40.792 ; v1(18.745,40.785) 19.393,40.785 19.4,40.792 ; IC8.49@23.9,47.25 23.9,46.1 25.248,46.1 ; v1(25.197,46.881) 25.197,46.151 25.248,46.1 ; C28.1@29.95,38.6 31.1,38.6 31.1,39.75 19.4,39.75 19.4,40.792 ; C35.1@29.95,47 29.1,47 29.1,46.1 25.248,46.1
  Bottom Layer w0.152: v1(12.825,40.1) 14.95,40.1 14.95,40.8 v1@18.789,40.811 ; v1(16.2,57.025) 16.2,59.4 25.197,59.4 v1(25.197,46.881)
+3V3: C17.2 C18.2 C19.2 C20.2 C21.2 C26.2 C34.1 C38.1 C39.1 C40.1 C41.1 C42.1 C43.1 C49.1 C50.1 CN1.3 CN1.4 D3.1 FB1.1 FB2.1 IC6.8 IC7.6 IC7.8 IC8.20 IC8.31 IC8.42 IC8.50 IC8.56 IC10.1 IC11.2 OSC1.1 OSC1.4 R5.1 R6.1 R7.1 R10.1 R11.2 R12.1 R13.2 R16.2 R17.1 R18.1 R26.1 SW2.1 SW3.1 SW4.1 TP3.1 TP4.1 TP5.1 TP9.1 U1.6 U1.30 U1.46 U1.57 U1.72 U1.89 U1.100 U1.123 U1.131 | length 609.8
  Top Layer w0.152: R11.2@-0.25,23.4 -2.5,23.4 ; R10.1@-0.25,26.2 -2.5,26.2 ; R5.1@-0.25,29 -2.5,29 ; R12.1@-0.25,31.8 -2.5,31.8 ; C26.2@-0.25,34.6 -2.6,34.6 ; IC10.1@3.5,61.8 3.5,58.8 4.9,58.8 ; FB1.1@3.6,34.6 3,34.6 3,33.25 ; C49.1@3.7,64.15 3.7,63 4.9,63 4.9,58.8 ; IC6.8@4.19,28.75 4.19,30.6 -2.5,30.6 ; R26.1@6.5,59.65 6.5,58.8 ; R13.2@7.15,31.75 6,31.75 6,33.25 3,33.25 ; C38.1@9.05,53.3 10.9,53.3 ; C50.1@9.2,64.15 9.2,58.8 ; FB2.1@10.9,52.2 10.9,53.3 ; v1@11.3,54 11.3,53.3 10.9,53.3 ; IC11.2@13.6,64.3 IC11.2@13.6,62 13.6,58.8 ; TP3.1@19.8,63.7 18.75,63.7 ; IC7.8@19.895,60 19.895,61.9 ; v1(20.193,51.029) 20.193,49.86 20.4,49.653 20.4,42.25 23.4,42.25 ; C42.1@21.5,64.15 21.5,61.9 ; IC7.6@22.435,60 22.435,61.9 ; IC8.31@23.4,35.75 23.4,38.471 ; IC8.50@23.4,47.25 23.4,45.675 ; TP4.1@23.4,63 23.4,61.9 ; IC8.42@25.95,42.25 23.4,42.25 ; R18.1@26,60.35 26,61.9 ; R6.1@28.25,36 24.7,36 24.7,38.471 23.4,38.471 ; R16.2@28.75,56.1 28.75,56.9 29.6,56.9 29.6,53.2 32.4,53.2 32.4,57.8 31.5,57.8 ; SW3.1@28.75,59.025 28.75,57.8 31.5,57.8 ; R7.1@29.95,33.1 31.4,33.1 31.4,27 ; C34.1@30.05,49.7 C34.1@30.05,49.75 ; C34.1@30.275,49.725 30.825,49.725 30.825,45.675 23.4,45.675 ; R17.1@31.5,56.15 31.5,57.8 ; C21.2@34.35,36 32.9,36 ; C17.2@36.25,42.5 37.75,42.5 37.75,42.75 U1.57@39.4,42.75 44.25,42.75 ; U1.72@39.4,35.25 37.211,35.25 37.211,36.8 32.9,36.8 32.9,36 ; U1.46@39.4,48.25 44.25,48.25 ; U1.30@44.25,54.6 44.25,52.4 ; v1(44.95,52.4) 44.25,52.4 ; C19.2@45.55,20.75 45.55,21.725 43.35,21.725 TP5.1@43.15,21.75 41.5,21.75 41.5,27 ; C39.1@47.63,60.605 49.4,60.605 49.4,59.258 ; D3.1@48,20.635 48,19.25 ; OSC1.4@48.225,56.975 48.225,56 49.4,56 ; OSC1.1@48.235,58.225 48.235,59.258 49.4,59.258 ; 49.4,60.25 58.6,60.25 ; C40.1@50.4,57.15 50.4,56 ; v1(51.6,57.1) 51.6,56 ; C20.2@52.8,57.15 52.8,56 ; U1.100@54.75,33.4 54.75,36.5 ; U1.6@56.25,54.6 56.25,56 52.8,56 ; TP9.1@58.6,59.1 58.6,60.605 61.095,60.605 ; U1.123@60.6,42.25 56.25,42.25 ; CN1.3@62.06,66.64 CN1.4@62.06,64.1 61.19,64.1 61.095,64.005 61.095,60.605 ; C43.1@62.4,58.75 62.4,57.5 ; C18.2@63.35,46.2 63.35,46.25 U1.131@60.6,46.25 56.25,46.25 56.25,42.25 ; SW4.1@67.75,59.125 67.75,57.5 62.4,57.5 ; v1@73.925,53.2 90.2,53.2 ; SW2.1@87.75,59.025 87.75,56.625 90.2,56.625 90.2,53.2 ; C41.1@91.5,54.15 91.5,53.2 90.5,53.2 90.2,53.2 ; -2.6,34.6 -2.625,64.6 2.4,64.6 2.4,68 18.75,68 18.75,63.7 ; -2.6,34.6 -2.6,33.25 -2.5,33.25 ; -2.5,23.4 -2.5,26.2 ; -2.5,23.4 -2.5,19.25 17.9,19.25 ; -2.5,26.2 -2.5,29 ; -2.5,29 -2.5,30.6 ; -2.5,30.6 -2.5,31.8 ; -2.5,31.8 -2.5,33.25 ; -2.5,33.25 3,33.25 ; 4.9,58.8 6.5,58.8 ; 6.5,58.8 9.2,58.8 ; 9.2,58.8 13.6,58.8 ; 13.6,58.8 13.7,58.7 v1(18.75,58.7) 18.75,61.9 ; 17.9,19.25 17.9,27 ; 17.9,19.25 48,19.25 ; 17.9,27 31.4,27 ; 17.9,27 IC8.20@17.9,35.75 17.9,36.823 18.186,36.823 18.186,38.471 23.4,38.471 ; 18.75,61.9 19.895,61.9 ; 18.75,61.9 18.75,63.7 ; 19.895,61.9 21.5,61.9 ; 21.5,61.9 22.435,61.9 ; 22.435,61.9 23.4,61.9 ; 23.4,42.25 23.4,45.675 ; 23.4,61.9 26,61.9 ; 26,61.9 31.5,61.9 31.5,57.8 ; 31.4,27 41.5,27 ; 32.9,36 32.9,34.5 35.2,34.5 35.2,31.9 41.5,31.9 41.5,27 ; 44.25,42.75 44.25,48.25 ; 44.25,42.75 44.25,36.5 49.25,36.5 ; 44.25,48.25 44.25,52.4 ; 48,19.25 49.2,19.25 49.2,29.6 47.15,29.6 47.175,31.825 49.25,31.825 U1.89@49.25,33.4 49.25,36.5 ; 49.25,36.5 54.75,36.5 ; 49.4,56 50.4,56 ; 49.4,56 49.4,59.258 ; 50.4,56 51.6,56 ; 51.6,56 52.8,56 ; 54.75,36.5 56.25,36.5 56.25,42.25 ; 61.095,60.605 61.095,57.5 62.4,57.5
  Bottom Layer w0.152: v1(11.3,53.825) 18.75,53.825 ; v1(18.75,58.7) 18.75,51.1 18.821,51.029 v1(20.193,51.029) ; v1@45,52.4 51.6,52.4 v1(51.6,57.1) ; CN1.4@62.06,64.1 62.06,62.74 73.875,62.74 v1(73.875,53.15)
+5V: C1.1 C2.1 C3.1 C5.1 C9.1 C10.1 C11.1 C45.1 C48.1 C52.1 CN1.1 CN1.2 FB3.2 IC1.5 IC2.2 IC3.8 IC4.8 IC9.1 IC10.3 TP8.1 U2.29 U3.8 | length 270.8
  Top Layer w0.203: 75.1,24 75.1,34
  Top Layer w0.254: TP8.1@-1.3,62.8 -1.3,57.5 0.5,57.5 ; IC10.3@0.5,61.8 0.5,57.5 ; C48.1@7.35,55.9 6.5,55.9 6.5,58.25 ; FB3.2@10.75,57.7 10.75,58.25 6.5,58.25 ; U2.29@68.8,42.25 71.9,42.25 71.9,47.5 74.8,47.5 74.8,48.75 ; C2.1@70.16,25.755 71.5,25.755 71.5,29.075 IC2.2@70.3,29.075 69.425,29.075 69.45,34 73.3,34 ; IC9.1@71.15,22.9 71.15,24 74.5,24 ; C11.1@72.35,48.7 72.4,48.75 74.8,48.75 ; C10.1@72.61,50.705 72.61,50.7 v1(74.8,50.7) 74.8,48.75 ; C1.1@73.69,29.795 72.2,29.795 72.2,31.2 73.3,31.2 73.3,34 ; IC1.5@74.25,33.075 74.25,34 ; C45.1@74.5,22.85 74.5,24 ; C3.1@77.75,22.85 77.75,24 75.1,24 74.5,24 ; C5.1@78.095,37.21 v1(78.095,38.735) 76.75,38.735 76.75,34 75.1,34 74.25,34 ; C9.1@78.195,48.91 78.1,48.91 v1(78.1,50.7) 78.1,51.6 80.595,51.6 IC4.8@80.595,50.064 ; IC3.8@80.595,38.864 v1(80.595,40.6) ; C52.1@83.05,66 86.3,66 ; U3.8@85.024,63.705 86.3,63.705 86.3,66 ; v1(86.3,67.5) 86.3,66 ; 0.5,57.5 v1(5.5,57.5) 5.5,58.25 6.5,58.25 ; 73.3,34 74.25,34
  Bottom Layer w0.254: v1(5.5,57.5) 6.4,57.5 6.4,45.5 53.3,45.5 53.3,42 74.8,42 v1(74.8,50.7) ; CN1.2@64.6,64.1 64.6,65.37 ; CN1.1@64.6,66.64 64.6,65.37 ; v1(78.095,38.735) 78.095,40.595 78.1,40.6 ; v1(80.595,40.6) 78.1,40.6 ; v1(86.3,67.5) 74.8,67.5 ; 64.6,65.37 64.73,65.5 66.3,65.5 66.3,67.5 74.8,67.5 ; v1(74.8,50.7) 74.8,67.5 ; v1(74.8,50.7) v1(78.1,50.7) 78.1,40.6
-5V: C6.2 C7.2 C54.2 IC3.4 IC4.4 U3.5 | length 54.3
  Top Layer w0.152: C54.2@84.35,55.4 86.4,55.4 ; 84.4,35.25 84.4,33.936 IC3.4@84.405,33.936 ; IC4.4@84.405,45.136 84.405,43.9 v1(88.2,43.9) 88.2,45.895 C7.2@88.005,46.09 ; 84.425,35.25 85.325,35.25 v1(85.325,34.5) ; U3.5@85.024,59.895 86.4,59.895 86.4,55.4 ; C6.2@88.105,35.49 88.1,35.49 88,35.39 88.25,35.14 v1(88.25,32.675) ; C6.2@88.2,35.49 C6.2@88.205,35.49 ; v1(89.5,55.4) 86.4,55.4
  Bottom Layer w0.152: v1(85.325,34.5) 85.325,32.675 v1(88.25,32.675) 89.5,32.675 89.5,43.9 ; v1(88.2,43.9) 89.5,43.9 ; v1(89.5,55.4) 89.5,43.9
A0: U1.142 U2.19 | length 20.8
  Top Layer w0.152: U1.142@60.6,51.75 75.525,51.75 75.525,46.75 U2.19@74.7,46.75